# Altium PCB FT4232_MINI.PcbDoc
Units mm, origin at the board's own origin, x right, y up, seen from the top; angles counter-clockwise.
Board outline 69.79 x 42.45 mm, 2 copper layers (Top Layer, Bottom Layer), stack 1.571 mm thick; 30 components, 70 nets, 140 pads, 47 vias.
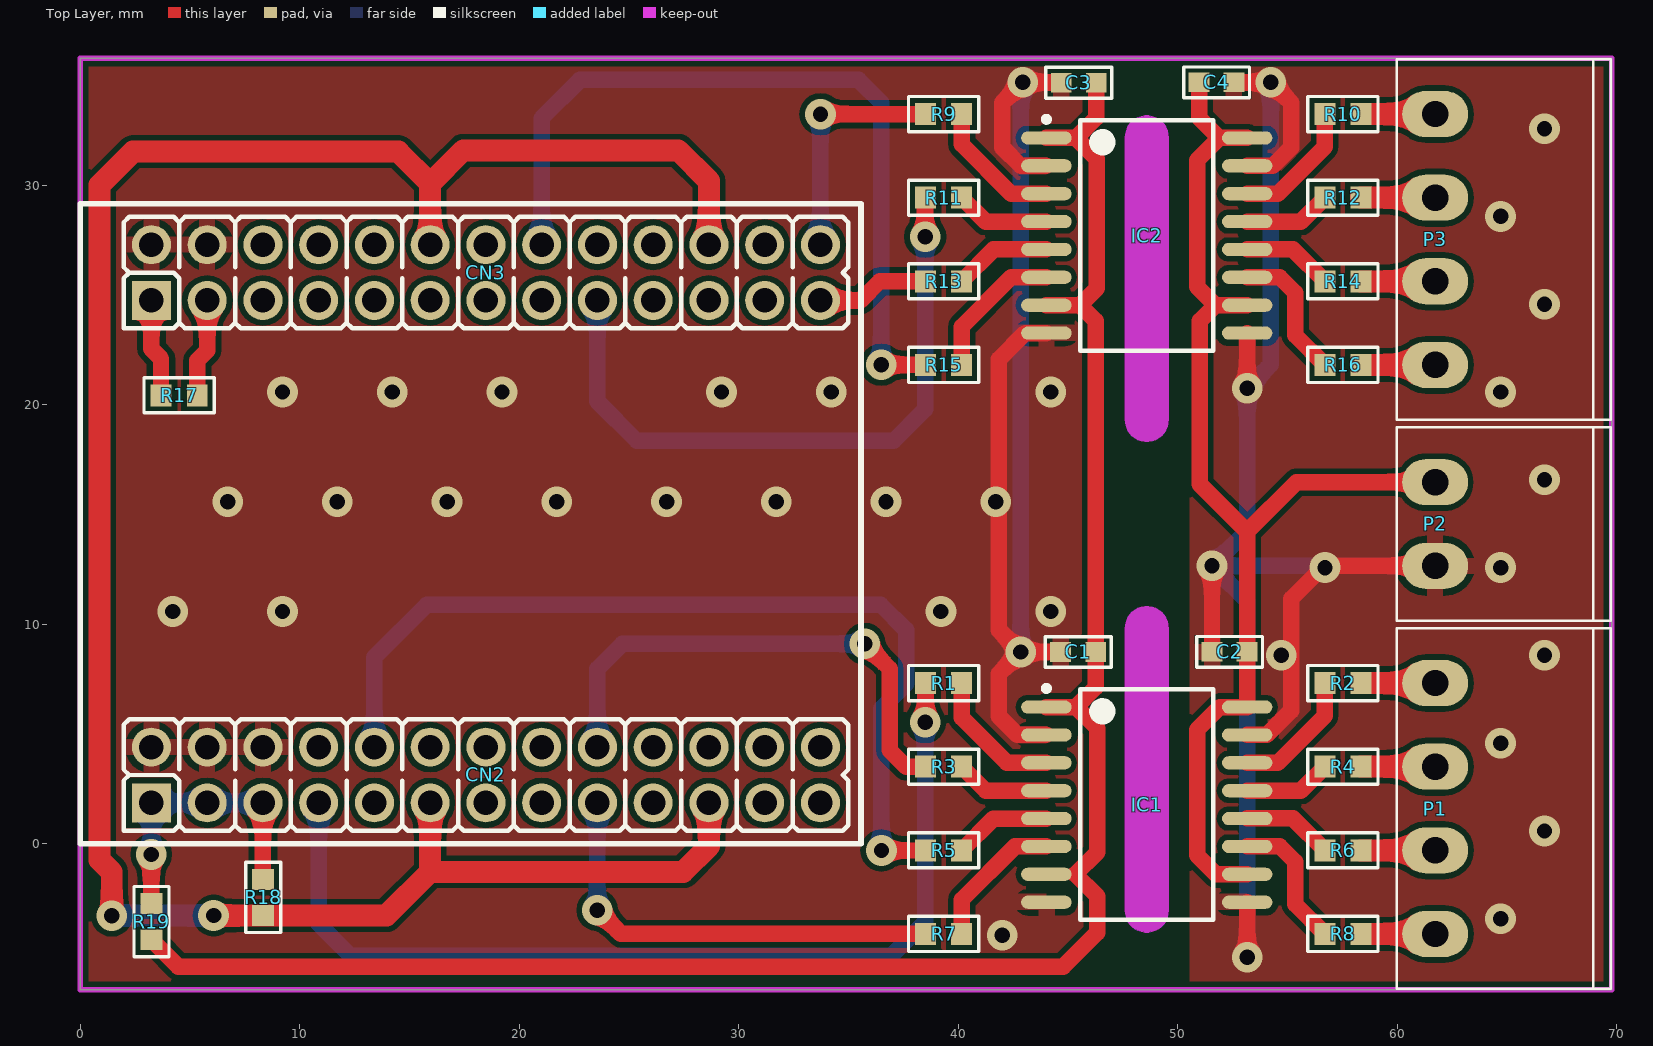
[diagram p0: Top Layer view]
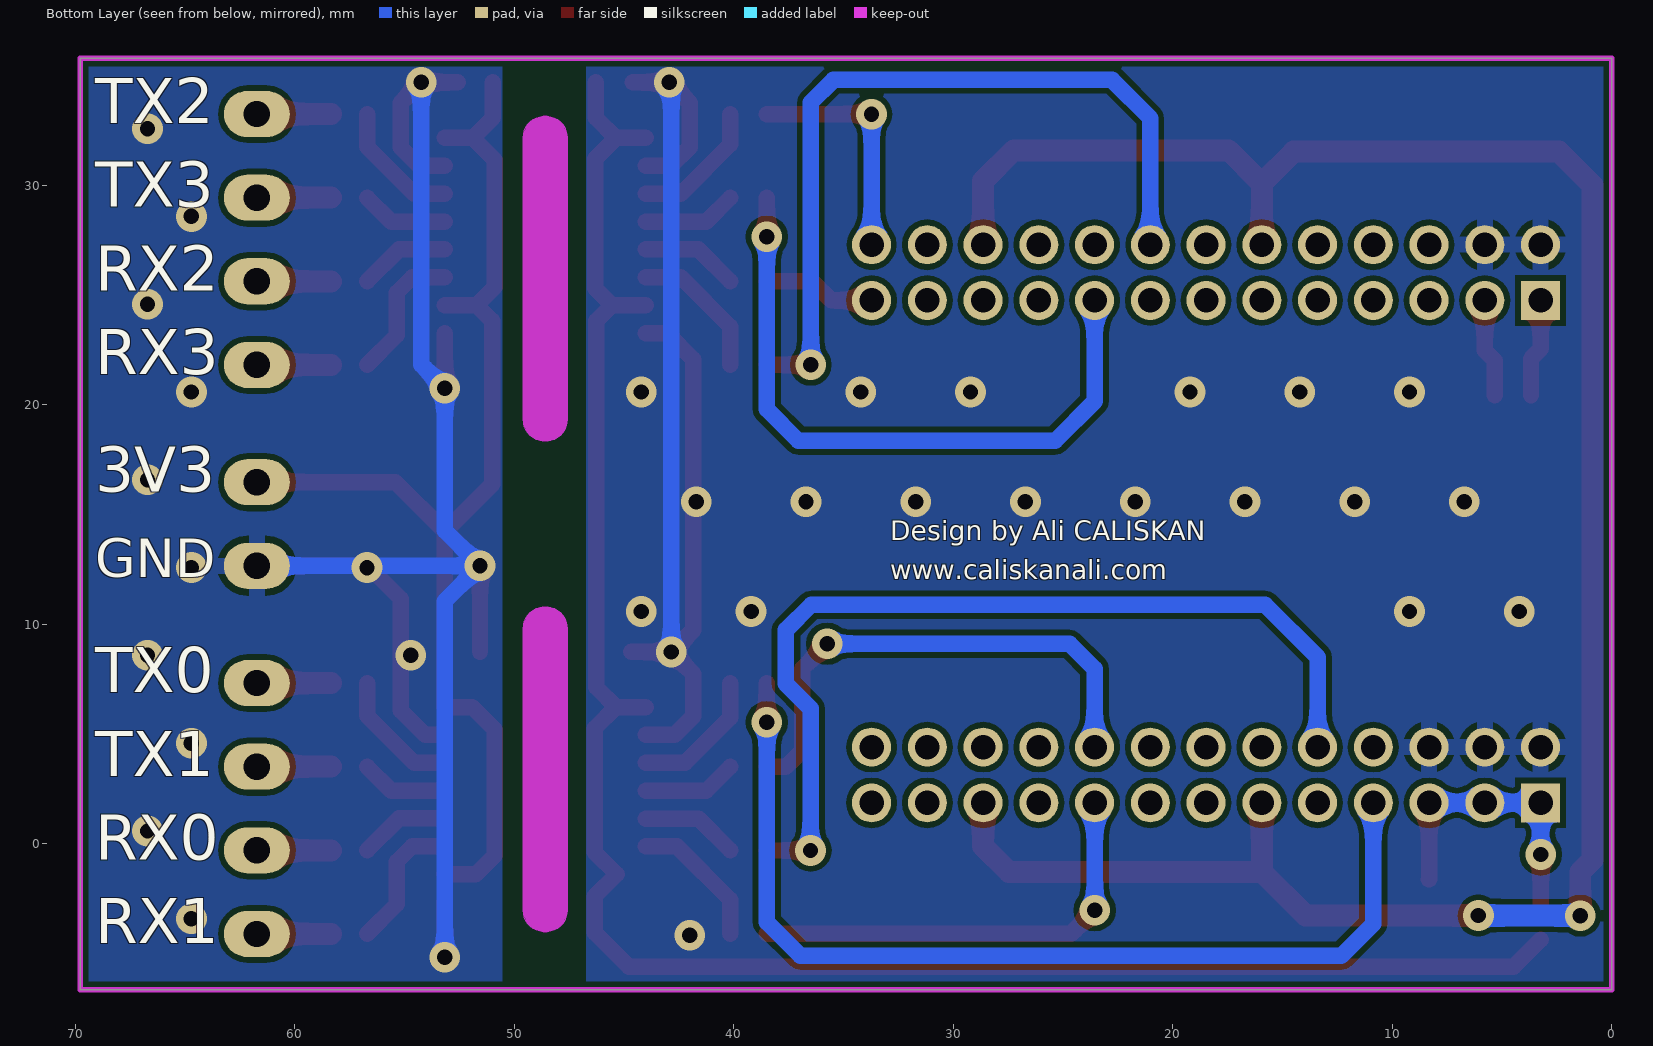
[diagram p1: Bottom Layer view, seen from below]
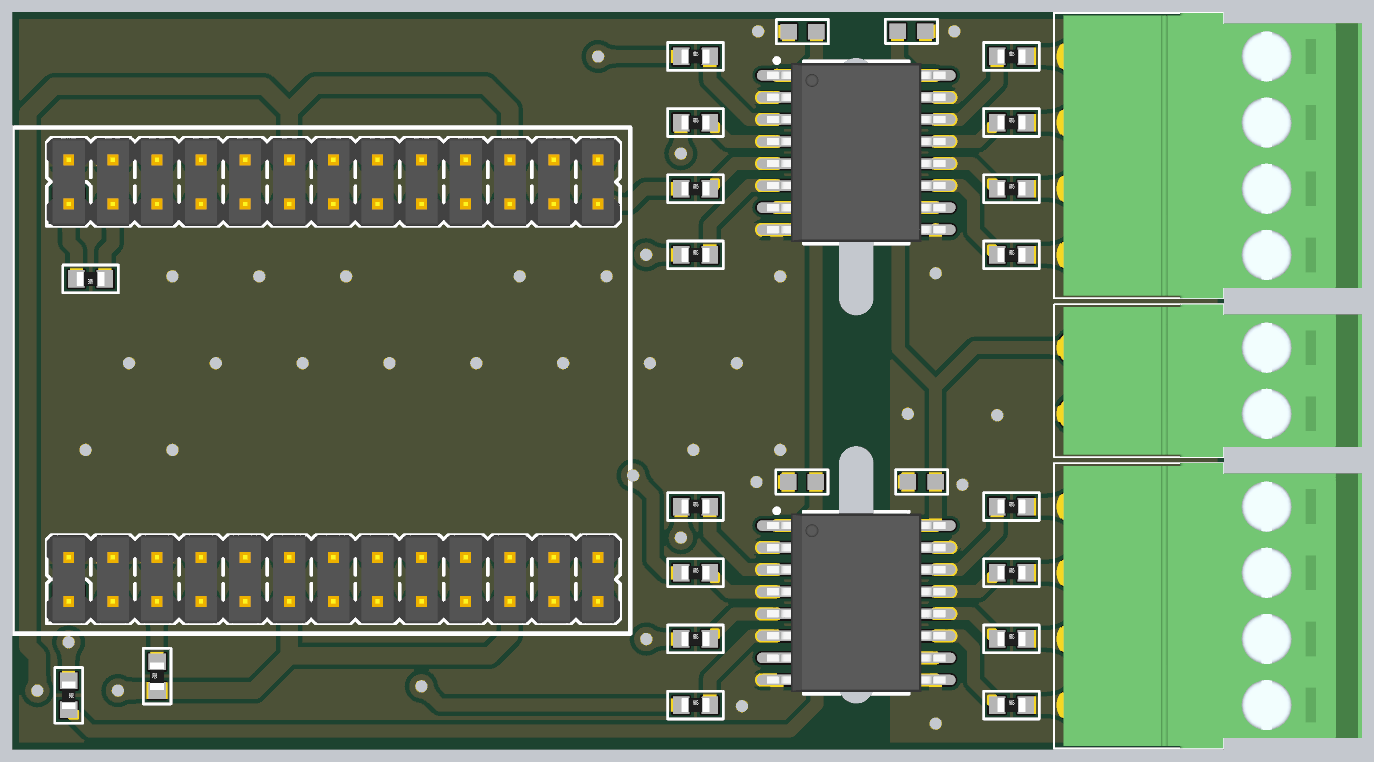
[diagram p2: 3D render of the assembled board from above, using the file's embedded part models]

## Layer stack, top to bottom
Top Solder: solder mask 0.0102, Solder Resist, Dk 3.5
Top Layer: signal copper 0.0356
Dielectric 1: dielectric 1.5, FR-4, Dk 4.8
Bottom Layer: signal copper 0.0356
Bottom Solder: solder mask 0.0102, Solder Resist, Dk 3.5

## Board outline
0,-6.66 69.79,-6.66 69.79,35.792 0,35.792
cut-out: 47.6,19.33 ccw(c48.6,19.33) 49.6,19.33 49.6,32.16 ccw(c48.6,32.16) 47.6,32.16
cut-out: 47.6,-3.028 ccw(c48.6,-3.028) 49.6,-3.028 49.6,9.802 ccw(c48.6,9.802) 47.6,9.802

## Design rules (kind name [scope] priority, off if disabled: settings)
Clearance [All] p1: gap=0.254 ignorepadtopadclearanceinfootprint=FALSE except(0: Arc-Hole Track-Hole SMDPad-Hole THPad-Hole Via-Hole Fill-Hole Poly-Hole Region-Hole Text-Hole)
PolygonConnect isvia [IsVia] p1: connectstyle=Direct reliefconductorwidth=0.254 reliefentries=4 polygonreliefangle="90 Angle" airgapwidth=0.254
PolygonConnect [All] p2: connectstyle=Relief reliefconductorwidth=0.75 reliefentries=4 polygonreliefangle="90 Angle" airgapwidth=0.3
RoutingVias [All] p1: holewidth=0.7 width=1.4 viastyle="Through Hole" minholewidth=0.7 minwidth=1.4 maxholewidth=0.7 maxwidth=1.4
SolderMaskExpansion [All] p1: expansion=0.102
Width [All] p1 off: maxlimit=0.254 minlimit=0.254 preferedwidth=0.254
30 further rules are at their usual default settings.

## Components (designator, comment, footprint, x,y, rotation, side; value= is the part's Value field where it differs from the comment)
C1 "100NF" CAPC1608X09N 45.475,8.735 r0 top
C2 "100NF" CAPC1608X09N 52.37,8.74 r0 top
C3 "100NF" CAPC1608X09N 45.5,34.67 r0 top
C4 "100NF" CAPC1608X09N 51.78,34.69 r180 top
CN2 "Header 13X2" "Pin Header 2x13 TH Pitch 2.54mm" 3.25,1.86 r0 top
CN3 "Header 13X2" "Pin Header 2x13 TH Pitch 2.54mm" 3.25,24.75 r0 top
IC1 "ADUM1412ARWZ" SOIC127P1030X265-16N 48.6,1.78 r0 top
IC2 "ADUM1412ARWZ" SOIC127P1030X265-16N 48.6,27.71 r0 top
P1 "UART" Klemens-3.81mm-4H 61.738,1.603 r270 top
P2 "POWER" Klemens-3.81mm-2H 61.738,14.566 r270 top
P3 "UART" Klemens-3.81mm-4H 61.738,27.529 r270 top
R1 "47R" RESC1608X06N 39.34,7.318 r0 top
R2 "47R" RESC1608X06N 57.538,7.318 r0 top
R3 "47R" RESC1608X06N 39.34,3.508 r0 top
R4 "47R" RESC1608X06N 57.538,3.508 r0 top
R5 "47R" RESC1608X06N 39.34,-0.302 r0 top
R6 "47R" RESC1608X06N 57.538,-0.302 r0 top
R7 "47R" RESC1608X06N 39.34,-4.112 r0 top
R8 "47R" RESC1608X06N 57.538,-4.112 r0 top
R9 "47R" RESC1608X06N 39.34,33.244 r0 top
R10 "47R" RESC1608X06N 57.538,33.244 r0 top
R11 "47R" RESC1608X06N 39.34,29.434 r0 top
R12 "47R" RESC1608X06N 57.538,29.434 r0 top
R13 "47R" RESC1608X06N 39.34,25.624 r0 top
R14 "47R" RESC1608X06N 57.538,25.624 r0 top
R15 "47R" RESC1608X06N 39.34,21.814 r0 top
R16 "47R" RESC1608X06N 57.538,21.814 r0 top
R17 "47R" RESC1608X06N 4.51,20.43 r180 top
R18 "47R" RESC1608X06N 8.34,-2.45 r90 top
R19 "47R" RESC1608X06N 3.25,-3.55 r270 top

## Footprints (in the part's own frame and the unit in brackets; to place one, negate y for a bottom-side part, rotate by r counter-clockwise, add the part's x,y. Pads: shape width x height; smd on the part's side, far side on the other; paste and mask are expansions set on the pad)
CAPC1608X09N [mm] "Chip Capacitor, 2-Leads, Body 1.60x0.80mm, IPC Medium Density"
  rect 0.95x0.9 smd: 1(-0.8,0) 2(0.8,0)
  silkscreen extent -1.5,-0.7 1.5,0.7, body extent -0.85,-0.45 0.85,0.45, height 0.9
Klemens-3.81mm-2H [mm] "WR-TBL Series 322"
  oval 2.1x3 hole 1.2: 1(-1.905,0) 2(1.905,0)
  silkscreen extent -4.4,-1.75 4.41,8, body extent -4.4,-1.2 4.41,16, height 7.55
Klemens-3.81mm-4H [mm] "WR-TBL Series 322"
  oval 2.1x3 hole 1.2: 1(-5.715,0) 2(-1.905,0) 3(1.905,0) 4(5.715,0)
  silkscreen extent -8.21,-1.75 8.22,8, body extent -8.21,-1.2 8.22,16, height 7.55
"Pin Header 2x13 TH Pitch 2.54mm" [mil] "PinHeader 1x1 TH Pitch 2.54mm"
  rect 70x70 hole 44: 1(0,0)
  round 70 hole 44: 2(0,100) 3(100,0) 4(100,100) 5(200,0) 6(200,100) 7(300,0) 8(300,100) 9(400,0) 10(400,100) 11(500,0) 12(500,100) 13(600,0) 14(600,100) 15(700,0) 16(700,100) 17(800,0) 18(800,100) 19(900,0) 20(900,100) 21(1000,0) 22(1000,100) 23(1100,0) 24(1100,100) 25(1200,0) 26(1200,100)
  silkscreen extent -50,-50 1250,150, body extent -50,-50 1250,150, height 374
RESC1608X06N [mm] "Chip Resistor, 2-Leads, Body 1.60x0.80mm, IPC Medium Density"
  rect 0.95x1 smd: 1(-0.825,0) 2(0.825,0)
  silkscreen extent -1.6,-0.8 1.6,0.8, body extent -0.8,-0.4 0.8,0.4, height 0.3
SOIC127P1030X265-16N [mm] "SOIC, 16-Leads, Body 10,5x7,6mm (max), Pitch 1,27mm, IPC Medium Density"
  oval 2.3x0.6 smd: 1(-4.575,4.445) 2(-4.575,3.175) 3(-4.575,1.905) 4(-4.575,0.635) 5(-4.575,-0.635) 6(-4.575,-1.905) 7(-4.575,-3.175) 8(-4.575,-4.445) 9(4.575,-4.445) 10(4.575,-3.175) 11(4.575,-1.905) 12(4.575,-0.635) 13(4.575,0.635) 14(4.575,1.905) 15(4.575,3.175) 16(4.575,4.445)
  silkscreen extent -4.7,-5.25 3.03,5.42, body extent -5.15,-5.15 5.15,5.15, height 2.65

## Part data
C1 C2 C3 C4: library part 265702, "CAP CERAMIC 100NF 50VDC 10% SMD 0603   X7R"
CN2 CN3: "Header, 13-Pin, Dual row"
IC1 IC2: library part 269900, "IC DIGITAL ISOLATOR ADUM1412ARWZ 4 CH SMD SOIC16-W"
P1 P3: library part "Header 4", "Header, 4-Pin"
P2: library part "Header 2", "Header, 2-Pin"
R1 R2 R3 R4 R5 R6 R7 R8 R9 R10 R11 R12 R13 R14 R15 R16 R17 R18 R19: library part 266551, "RES CARBON 47R 0.1W 1% 100ppm SMD 0603"

## Via types
v1: diameter 1.4, hole 0.7, Top Layer to Bottom Layer, tented both sides, 47 vias

## Nets (pads, with @x,y where several pads share a name; then routed paths per layer and width w, separated by ;. In a path a pad name is that pad's centre, name@x,y a point inside that pad or via, vN(x,y) a via of type N, cw(c..) or ccw(c..) an arc to the next point about the centre after c; other vN are vias at no path point)
3V3: C1.2 C3.2 IC1.1 IC1.7 IC2.1 IC2.7 R19.2 | length 90.2
  Top Layer w0.75: R19.2 4.475,-5.6 44.79,-5.6 46.34,-4.05 46.34,-2.39 45.345,-1.395 46.34,-0.4 46.34,5.255 45.37,6.225 ; IC1.1 45.37,6.225 ; IC2.7 45.555,24.535 ; IC2.1@44.03,32.16 IC2.1 45.375,32.155 ; C1.2@46.27,8.79 46.27,23.82 45.555,24.535 ; C1.2 46.275,7.13 45.37,6.225 ; C3.2@46.3,34.69 46.3,33.08 45.375,32.155 ; 45.375,32.155 46.33,31.2 46.33,25.31 45.555,24.535
3V3L: C2.2 C4.2 IC1.10 IC1.16 IC2.10 IC2.16 P2.1 | length 54.1
  Top Layer w0.75: C4.2 50.98,33.08 51.905,32.155 ; IC1.10 51.755,-1.395 50.89,-0.53 50.89,5.195 51.92,6.225 IC1.16 53.175,8.735 C2.2 53.17,14.22 ; IC2.10 51.73,24.535 ; IC2.16 51.905,32.155 ; P2.1 55.421,16.471 53.17,14.22 ; 51.73,24.535 51.02,23.825 51.02,16.37 53.17,14.22 ; 51.73,24.535 50.89,25.375 50.89,31.14 51.905,32.155
AD0: CN2.7 R1.1 | length 45.3
  Top Layer w0.75: v1(38.5,5.53) 38.515,5.545 R1.1
  Bottom Layer w0.75: CN2.7 10.87,-3.66 12.32,-5.11 36.97,-5.11 38.5,-3.58 v1(38.5,5.53)
AD1: CN2.10 R5.1 | length 42.3
  Top Layer w0.75: v1(36.51,-0.31) 38.507,-0.31 R5.1
  Bottom Layer w0.75: CN2.10 13.41,8.5 15.8,10.89 36.48,10.89 37.63,9.74 37.63,7.28 36.51,6.16 v1(36.51,-0.31)
AD2: CN2.9
AD3: CN2.12
AD4: CN2.14
AD5: CN2.13
AD6: CN2.16
AD7: CN2.15
BD0: CN2.18 R3.1 | length 23.5
  Top Layer w0.75: v1(35.75,9.11) 36.89,7.97 36.89,4.25 37.632,3.508 R3.1
  Bottom Layer w0.75: CN2.18 23.57,7.97 24.71,9.11 v1(35.75,9.11)
BD1: CN2.17 R7.1 | length 20.3
  Top Layer w0.75: v1(23.56,-3.03) 24.642,-4.112 R7.1
  Bottom Layer w0.75: v1(23.56,-3.03) 23.56,1.85 CN2.17
BD2: CN2.20
BD3: CN2.19
BD4: CN2.22
BD5: CN2.24
BD6: CN2.23
BD7: CN2.26
CD0: CN3.26 R9.1 | length 10.7
  Top Layer w0.75: v1(33.735,33.24) 38.511,33.24 R9.1
  Bottom Layer w0.75: CN3.26 v1@33.73,33.24
CD1: CN3.25 R13.1 | length 5.1
  Top Layer w0.75: CN3.25 35.56,24.75 36.434,25.624 R13.1
CD2: CN3.24
CD3: CN3.23
CD4: CN3.21
CD5: CN3.20
CD6: CN3.19
CD7: CN3.18
CLK: CN3.6
CS: CN3.5
DATA: CN3.7
DD0: CN3.17 R11.1 | length 30.5
  Top Layer w0.75: v1(38.5,27.65) 38.5,29.419 R11.1
  Bottom Layer w0.75: CN3.17 23.57,20.15 25.36,18.36 37.07,18.36 38.5,19.79 v1(38.5,27.65)
DD1: CN3.16 R15.1 | length 36.4
  Top Layer w0.75: v1(36.5,21.82) 38.509,21.82 R15.1
  Bottom Layer w0.75: CN3.16 21.03,33.06 22.77,34.8 35.47,34.8 36.5,33.77 v1(36.5,21.82)
DD2: CN3.15
DD3: CN3.14
DD4: CN3.13
DD5: CN3.11
DD6: CN3.10
DD7: CN3.9
GND: C1.1 C3.1 CN2.2 CN2.4 CN2.6 CN3.2 CN3.4 IC1.2 IC1.8 IC2.2 IC2.8 | length 57.5
  Top Layer w0.75: IC1.2 42.705,4.955 41.86,5.8 41.86,7.74 v1(42.855,8.735) ; IC2.8 43.055,23.265 41.86,22.07 41.86,9.73 v1(42.855,8.735) ; IC2.2 42.855,30.885 42.02,31.72 42.02,33.76 v1(42.95,34.69) C3.1@44.62,34.69 ; C1.1 v1(42.855,8.735)
  Bottom Layer w0.75: v1(42.855,8.735) 42.855,34.595 v1(42.95,34.69)
  other v1: 42.02,-4.17 4.22,10.58 9.22,10.58 39.22,10.58 44.22,10.58 6.72,15.58 11.72,15.58 16.72,15.58 21.72,15.58 26.72,15.58 31.72,15.58 36.72,15.58 41.72,15.58 9.22,20.58 14.22,20.58 19.22,20.58 29.22,20.58 34.22,20.58 44.22,20.58
GNDL: C2.1 C4.1 IC1.9 IC1.15 IC2.9 IC2.15 P2.2 | length 84.8
  Top Layer w0.75: 51.57,10.67 C2.1 v1(51.57,12.66) ; C4.1 v1(54.25,34.69) 55.18,33.76 55.18,31.72 54.345,30.885 IC2.15 ; v1(53.175,-5.175) IC1.9 ; IC1.15 54.069,4.955 55.18,6.066 55.18,11.16 56.681,12.661 P2.2 ; v1(53.175,20.755) IC2.9
  Bottom Layer w0.75: v1(53.175,-5.175) 53.175,11.055 v1(51.57,12.66) v1(51.57,12.66) ; v1(54.25,34.69) 54.25,21.83 v1(53.175,20.755) 53.175,14.265 v1(51.57,12.66) ; P2.2 v1(51.57,12.66)
  other v1: 64.72,-3.42 66.72,0.58 64.72,4.58 54.72,8.58 66.72,8.58 56.72,12.58 64.72,12.58 66.72,16.58 64.72,20.58 66.72,24.58 64.72,28.58 66.72,32.58
NetIC1_11: IC1.11 R8.1 | length 6.3
  Top Layer w0.75: IC1.11 IC1.11@54.075,-0.125 ; IC1.11@54.075,-0.121 54.655,-0.121 55.36,-0.826 55.36,-2.759 R8.1
NetIC1_12: IC1.12 R6.1 | length 4.1
  Top Layer w0.75: IC1.12@53.175,1.149 55.262,1.149 R6.1
NetIC1_13: IC1.13 R4.1 | length 4
  Top Layer w0.75: IC1.13@53.175,2.419 55.624,2.419 R4.1
NetIC1_14: IC1.14 R2.1 | length 5.9
  Top Layer w0.75: IC1.14@53.175,3.689 54.575,3.689 56.713,5.827 R2.1
NetIC2_11: IC2.11 R16.1 | length 6.3
  Top Layer w0.75: IC2.11 54.655,25.805 55.36,25.1 55.36,23.167 R16.1
NetIC2_12: IC2.12 R14.1 | length 4.1
  Top Layer w0.75: IC2.12 55.262,27.075 R14.1
NetIC2_13: IC2.13 R12.1 | length 4
  Top Layer w0.75: IC2.13 55.624,28.345 R12.1
NetIC2_14: IC2.14 R10.1 | length 5.9
  Top Layer w0.75: IC2.14 54.575,29.615 56.713,31.753 R10.1
NetP1_1: P1.1 R2.2 | length 3.4
  Top Layer w1: R2.2 P1.1
NetP1_2: P1.2 R4.2 | length 3.4
  Top Layer w1: R4.2 P1.2
NetP1_3: P1.3 R6.2 | length 3.4
  Top Layer w1: R6.2 P1.3
NetP1_4: P1.4 R8.2 | length 3.4
  Top Layer w1: R8.2 P1.4
NetP3_1: P3.1 R10.2 | length 3.4
  Top Layer w1: R10.2 P3.1
NetP3_2: P3.2 R12.2 | length 3.4
  Top Layer w1: R12.2 P3.2
NetP3_3: P3.3 R14.2 | length 3.4
  Top Layer w1: R14.2 P3.3
NetP3_4: P3.4 R16.2 | length 3.4
  Top Layer w1: R16.2 P3.4
PWREN#: CN3.8
RESET#: CN2.8
RX0: IC1.5 R5.2 | length 4.5
  Top Layer w0.75: R5.2 41.612,1.145 IC1.5
RX1: IC1.6 R7.2 | length 6.4
  Top Layer w0.75: R7.2 40.165,-2.555 42.595,-0.125 IC1.6
RX2: IC2.5 R13.2 | length 4.5
  Top Layer w0.75: R13.2 41.616,27.075 IC2.5
RX3: IC2.6 R15.2 | length 6.5
  Top Layer w0.75: R15.2 40.165,23.555 42.415,25.805 IC2.6
SUSPEND#: CN2.25
TX0: IC1.3 R1.2 | length 6.3
  Top Layer w0.75: R1.2 40.165,5.745 42.225,3.685 IC1.3
TX1: IC1.4 R3.2 | length 4.3
  Top Layer w0.75: R3.2 41.258,2.415 IC1.4
TX2: IC2.3 R9.2 | length 6.2
  Top Layer w0.75: R9.2 40.165,31.865 42.415,29.615 IC2.3
TX3: IC2.4 R11.2 | length 4.3
  Top Layer w0.75: R11.2 41.254,28.345 IC2.4
V3V3: CN2.1 CN2.3 CN2.5 R18.2 R19.1 | length 13.2
  Top Layer w0.75: v1(3.24,-0.49) 3.24,-2.715 R19.1 ; CN2.5 8.33,-1.615 R18.2
  Bottom Layer w0.75: v1(3.24,-0.49) 3.25,-0.48 CN2.1 CN2.3 CN2.5
VBUS: CN3.1 R17.2 | length 4.5
  Top Layer w0.75: CN3.1 3.25,22.54 3.685,22.105 R17.2
VCC: CN3.3 R17.1 | length 4.5
  Top Layer w0.75: R17.1 5.335,22.015 5.79,22.47 CN3.3
VIO: CN2.11 CN2.21 CN3.12 CN3.22 R18.1 | length 103
  Top Layer w1: v1(1.44,-3.28) 1.44,-1.29 0.89,-0.74 0.89,30.01 2.41,31.53 14.5,31.53 15.95,30.08 ; v1(6.08,-3.275) R18.1 13.955,-3.275 15.95,-1.28 ; CN2.11 15.95,-1.28 ; CN3.12 15.95,30.08 ; CN2.21 28.65,-0.11 27.48,-1.28 15.95,-1.28 ; CN3.22 28.65,30.19 27.25,31.59 17.46,31.59 15.95,30.08
  Bottom Layer w1: v1(1.44,-3.28) 1.445,-3.275 v1(6.08,-3.275)

## Polygon pours and split planes (outlines as drawn)
GND on Bottom Layer "Dummy" (solid, pour order 2): 0,-6.66 18.19,-6.66 46.73,-6.66 46.73,35.792 0,35.792
GNDL on Bottom Layer "Dummy" (solid, pour order 0): 69.79,-6.66 51.6,-6.66 50.55,-6.66 50.55,35.792 69.79,35.792
GNDL on Top Layer "Dummy" (solid, pour order 6): 69.79,-6.66 51.6,-6.66 50.55,-6.66 50.55,35.792 69.79,35.792
GND on Top Layer "Dummy" (solid, pour order 4): 0,-6.66 18.19,-6.66 46.73,-6.66 46.73,35.792 0,35.792

## Keep-outs
Keep-Out Layer:
  lines w0.254: 0,-6.66 0,35.792 69.79,35.792 69.79,-6.66 0,-6.66
  lines w2: 48.6,-3.028 48.6,9.802 ; 48.6,19.33 48.6,32.16

## Silkscreen, mask and mechanical layers (free items; w line width, h text height)
Top Overlay:
  lines w0.254: 0,0 0,29.15 35.58,29.15 35.58,0 0,0
Bottom Overlay:
  text "TX2" at 69.09,32.136 h3.5
  text "TX3" at 69.09,28.326 h3.5
  text "RX2" at 69.09,24.516 h3.5
  text "RX3" at 69.09,20.706 h3.5
  text "3V3" at 69.09,15.363 h3.5
  text "Design by Ali CALISKAN" at 32.87,13.53 h1.5
  text "www.caliskanali.com" at 32.87,11.75 h1.5
  text "GND" at 69.09,11.553 h3
  text "TX0" at 69.09,6.21 h3.5
  text "TX1" at 69.09,2.4 h3.5
  text "RX0" at 69.09,-1.41 h3.5
  text "RX1" at 69.09,-5.22 h3.5
Drill Drawing:
  drawing of 185 lines, arcs and shapes, not listed
  text "Layer" at 2.118,67.602 h1.52
  text "Name" at 10.964,67.602 h1.52
  text "Material" at 30.388,67.602 h1.52
  text "Thickness" at 47.214,67.602 h1.52
  text "Constant" at 60.268,67.602 h1.52
  text "Board Layer Stack" at 72.784,67.602 h1.52
  text "1" at 2.118,64.554 h1.52
  text "Top Overlay" at 10.964,64.554 h1.52
  text "2" at 2.118,61.506 h1.52
  text "Top Solder" at 10.964,61.506 h1.52
  text "Solder Resist" at 30.388,61.506 h1.52
  text "0.010mm" at 47.214,61.506 h1.52
  text "3.5" at 60.268,61.506 h1.52
  text "3" at 2.118,58.458 h1.52
  text "Top Layer" at 10.964,58.458 h1.52
  text "Copper" at 30.388,58.458 h1.52
  text "0.036mm" at 47.214,58.458 h1.52
  text "4" at 2.118,55.41 h1.52
  text "Dielectric 1" at 10.964,55.41 h1.52
  text "FR-4" at 30.388,55.41 h1.52
  text "1.500mm" at 47.214,55.41 h1.52
  text "4.8" at 60.268,55.41 h1.52
  text "5" at 2.118,52.362 h1.52
  text "Bottom Layer" at 10.964,52.362 h1.52
  text "Copper" at 30.388,52.362 h1.52
  text "0.036mm" at 47.214,52.362 h1.52
  text "6" at 2.118,49.314 h1.52
  text "Bottom Solder" at 10.964,49.314 h1.52
  text "Solder Resist" at 30.388,49.314 h1.52
  text "0.010mm" at 47.214,49.314 h1.52
  text "3.5" at 60.268,49.314 h1.52
  text "7" at 2.118,46.266 h1.52
  text "Bottom Overlay" at 10.964,46.266 h1.52
  text "Symbol" at 1.826,-17.257 h1.83
  text "Count" at 13.449,-17.257 h1.83
  text "Hole Size" at 25.821,-17.257 h1.83
  text "Plated" at 49.953,-17.257 h1.83
  text "Hole Type" at 60.035,-17.257 h1.83
  text "Drill Layer Pair" at 75.001,-17.257 h1.83
  text "Via/Pad" at 106.309,-17.257 h1.83
  text "Pad Shape" at 118.785,-17.257 h1.83
  text "Template" at 135.092,-17.257 h1.83
  text "47" at 13.449,-21.067 h1.52
  text "0.700mm (27.56mil)" at 25.821,-21.067 h1.52
  text "PTH" at 49.953,-21.067 h1.52
  text "Round" at 60.035,-21.067 h1.52
  text "Top Layer - Bottom Layer" at 75.001,-21.067 h1.52
  text "Via" at 106.309,-21.067 h1.52
  text "Rounded" at 118.785,-21.067 h1.52
  text "(Mixed)" at 135.092,-21.067 h1.52
  text "52" at 13.449,-24.877 h1.52
  text "1.118mm (44.00mil)" at 25.821,-24.877 h1.52
  text "PTH" at 49.953,-24.877 h1.52
  text "Round" at 60.035,-24.877 h1.52
  text "Top Layer - Bottom Layer" at 75.001,-24.877 h1.52
  text "Pad" at 106.309,-24.877 h1.52
  text "(Mixed)" at 118.785,-24.877 h1.52
  text "(Mixed)" at 135.092,-24.877 h1.52
  text "10" at 13.449,-28.687 h1.52
  text "1.200mm (47.24mil)" at 25.821,-28.687 h1.52
  text "PTH" at 49.953,-28.687 h1.52
  text "Round" at 60.035,-28.687 h1.52
  text "Top Layer - Bottom Layer" at 75.001,-28.687 h1.52
  text "Pad" at 106.309,-28.687 h1.52
  text "Rounded" at 118.785,-28.687 h1.52
  text "r210_300h120r100" at 135.092,-28.687 h1.52
  text "109 Total" at 13.449,-32.497 h1.52

## Dimensions
0,35.792 to 69.79,35.792 on Drill Drawing
0,-6.66 to 0,35.792 on Drill Drawing